# Altium PCB Плата верхняя версия 7 обычная(pretraced).PcbDoc (part 2 of 2)
Units mm, origin at the board's own origin, x right, y up, seen from the top; angles counter-clockwise.
Board outline 53 x 45 mm, 4 copper layers (Top Layer, Layer 1, Layer 2, Bottom Layer), stack 1.781 mm thick; 115 components, 170 nets, 808 pads, 355 vias.
Unrouted connection lines stored in the file: 49.
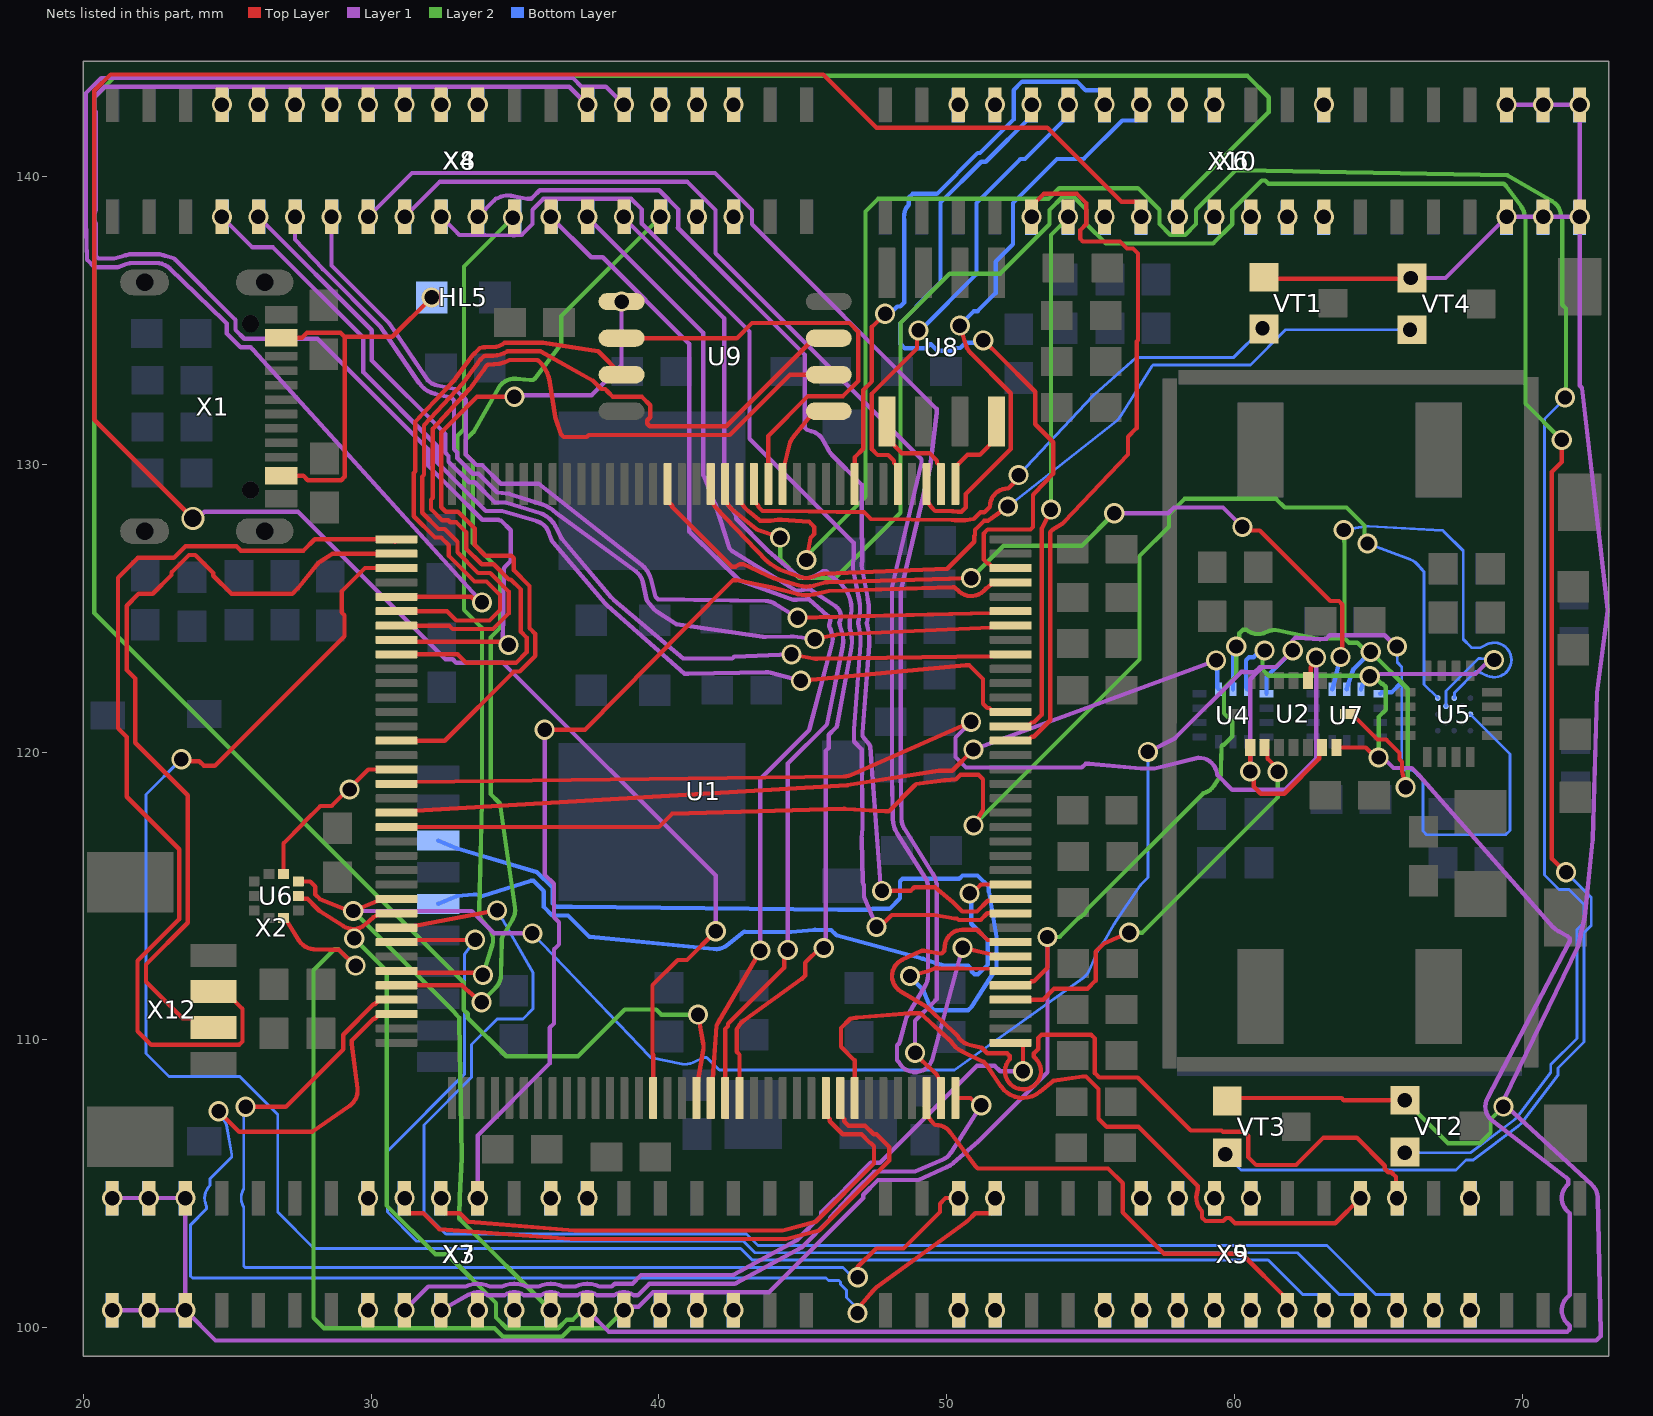
[diagram p4: the nets of this part, all layers, seen from the top]

## Via types
v1: diameter 0.7, hole 0.5, Top Layer to Bottom Layer, 349 vias
v2: diameter 0.8, hole 0.6, Top Layer to Bottom Layer, 6 vias

## Nets (pads, with @x,y where several pads share a name; then routed paths per layer and width w, separated by ;. In a path a pad name is that pad's centre, name@x,y a point inside that pad or via, vN(x,y) a via of type N, cw(c..) or ccw(c..) an arc to the next point about the centre after c; other vN are vias at no path point) (continued)
NetU1_15: U1.15 X6.15 X10.15 | length 87.5
  Top Layer w0.15: v2(23.8,128.125) 20.375,131.55 20.375,142.983 20.942,143.55 45.712,143.55 47.562,141.7 53.498,141.7 56.073,139.125 56.61,139.125 56.76,138.975 v1(56.76,138.6) ; U1.15@39.8,107.975 39.8,109.484 39.775,109.509 39.775,111.9 40.65,112.775 40.975,112.775 v1(41.975,113.775)
  Layer 1 w0.15: v2(23.8,128.125) 23.976,128.125 24.201,128.35 27.454,128.35 32.579,123.225 32.833,123.225 32.958,123.1 34.584,123.1 41.975,115.709 v1(41.975,113.775)
NetU1_18: U1.18 X6.17 X10.17 | length 96.5
  Top Layer w0.15: U1.18@41.3,107.975 41.365,108.635 41.541,109.643 ccw(c40.925,109.75) 41.54,109.86 v1(41.358,110.874)
  Layer 2 w0.15: v1(41.358,110.874) 40.083,110.874 39.907,111.05 38.808,111.05 37.183,109.425 34.691,109.425 33.355,110.761 33.355,110.902 33.21,111.047 33.21,111.999 20.375,124.834 20.375,142.759 21.116,143.5 60.454,143.5 61.195,142.759 61.195,142.241 58.154,139.2 58.154,138.724 v1(58.03,138.6)
NetU1_19: U1.19 X4.25 X8.25 | length 37.1
  Top Layer w0.15: U1.19@41.8,107.975 41.865,108.635 42,110.499 42.1,110.682 v1(43.525,113.099)
  Layer 1 w0.15: v1(36.24,138.6) 37.645,137.195 38.044,137.195 41.052,134.187 41.052,127.661 41.126,127.587 42.79,125.971 44.675,125.291 44.746,125.291 44.754,125.291 cw(c44.818,124.669) 44.784,125.294 45.098,125.311 45.217,125.311 45.864,124.735 45.952,124.647 45.952,124.565 45.915,124.433 45.915,124.35 45.952,124.293 46.008,124.111 cw(c45.411,123.927) 46.015,123.767 45.221,120.771 43.525,119.075 v1(43.525,113.099)
NetU1_20: U1.20 X4.27 X8.27 | length 36.4
  Top Layer w0.15: U1.20@42.3,107.975 42.3,110.375 42.4,110.475 42.4,110.558 42.758,110.916 44.351,112.509 44.351,113.001 v1(44.475,113.125)
  Layer 1 w0.15: v1(37.51,138.6) 41.542,134.568 41.542,129.676 41.542,129.62 41.954,128.629 42.449,127.076 42.519,127.006 44.776,125.607 44.85,125.607 45.147,125.656 45.239,125.659 cw(c44.8,124.845) 45.312,125.616 46.14,125.066 cw(c45.904,124.721) 46.266,124.51 46.276,124.457 ccw(c46.423,124.486) 46.278,124.449 46.325,124.266 46.362,124.155 cw(c45.484,123.865) 46.392,123.689 46.389,123.677 45.838,120.963 44.475,119.6 v1(44.475,113.125)
NetU1_21: U1.21 X4.29 X8.29 | length 36.5
  Top Layer w0.15: U1.21@42.8,107.975 42.8,109.484 42.7,109.584 42.7,110.372 42.813,110.533 cw(c43.325,110.175) 42.961,110.683 44.964,112.117 ccw(c44.6,112.625) 44.975,112.125 45.086,112.236 45.086,112.683 45.595,113.192 v1(45.725,113.192)
  Layer 1 w0.15: v1(38.78,138.6) 38.78,138.562 42.265,135.077 42.265,128.729 42.59,128.372 cw(c42.479,128.271) 42.603,128.356 cw(c42.216,128.094) 42.683,128.108 43.768,127.014 ccw(c44.212,127.454) 43.806,126.978 44.719,126.199 ccw(c45.125,126.675) 45.444,126.138 45.689,126.284 45.814,126.284 45.952,126.146 46.068,126.058 46.216,125.944 cw(c45.466,124.975) 46.625,124.58 46.625,124.339 46.668,124.179 cw(c45.484,123.865) 46.688,123.642 46.175,120.876 46.138,120.839 45.9,120.601 45.9,120.142 45.792,120.034 45.792,113.259 v1(45.725,113.192)
NetU1_27: U1.27 X3.20 X7.20 | length 19.9
  Top Layer w0.15: v1(32.43,104.5) 32.43,104.125 32.58,103.975 33.082,103.975 33.382,103.675 37.068,103.375 39.219,103.375 44.302,103.375 45.448,103.675 47.475,105.702 47.475,106.3 47.36,106.415 47.339,106.415 47.039,106.715 46.387,106.715 45.935,107.167 45.935,107.245 45.8,107.38 U1.27@45.8,107.975
NetU1_28: U1.28 X3.18 X7.18 | length 21.8
  Top Layer w0.15: v1(31.16,104.5) 31.16,104.125 31.31,103.975 31.812,103.975 32.368,103.419 36.943,103.075 39.343,103.075 44.427,103.075 45.572,103.375 48,105.803 48,106.275 47.56,106.715 47.463,106.715 47.163,107.015 46.587,107.015 46.435,107.167 46.435,107.245 46.3,107.38 U1.28@46.3,107.975
NetU1_29: U1.29 X5.28 X9.28 | length 25.9
  Top Layer w0.15: U1.29@46.8,107.975 46.8,109.284 46.325,109.759 46.325,110.409 46.647,110.731 46.841,110.765 cw(c46.95,110.15) 46.898,110.773 48.716,110.925 49.068,110.925 49.136,110.878 49.21,110.811 50.105,109.988 50.148,109.945 ccw(c50.935,110.43) 50.533,109.597 51.283,109.235 51.374,109.144 51.883,108.389 ccw(c52.65,108.905) 53.236,108.189 53.707,108.575 54.719,108.725 54.843,108.725 55.275,108.293 55.275,107.257 55.557,106.975 56.668,106.975 58.706,104.938 58.725,104.919 58.725,104.794 58.689,104.633 ccw(c59.3,104.5) 58.875,104.042 58.875,103.817 58.992,103.7 59.608,103.7 59.713,103.806 59.838,103.806 60.018,103.625 63.505,103.625 v1(64.38,104.5)
NetU1_34: U1.34 X5.23 X9.23 | length 16.8
  Top Layer w0.15: U1.34@49.3,107.975 49.365,107.315 49.46,107.178 49.598,107.04 49.621,107.04 cw(c49.621,106.415) 50.124,106.786 50.989,105.613 51.077,105.525 51.139,105.525 55.608,105.525 56.115,105.018 56.115,104.002 57.553,102.563 60.252,102.563 61.84,100.975 v1(61.84,100.6)
NetU1_35: U1.35 X4.15 X8.15 | length 49.2
  Top Layer w0.15: v1(48.9,109.55) 48.9,109.5 49.513,108.935 49.665,108.783 49.735,108.635 U1.35@49.8,107.975
  Layer 1 w0.15: v1(29.89,138.6) 31.415,140.125 41.949,140.125 43.235,138.839 43.235,138.341 49.65,131.926 49.65,131.805 49.425,129.926 48.4,125.599 48.4,119.326 48.429,117.669 ccw(c49.054,117.68) 48.526,117.346 49.517,115.778 cw(c48.725,115.3) 49.519,115.775 ; v1(48.9,109.55) 48.9,110.665 49.606,111.371 49.65,111.415 49.65,115.42 49.625,115.517 49.618,115.543 49.611,115.566 49.604,115.588 ccw(c48.725,115.3) 49.603,115.591 49.599,115.603 49.594,115.616 ; 49.519,115.775 49.561,115.705 49.59,115.627 cw(c48.725,115.3) 49.594,115.617
NetU1_36: U1.36 X3.19 X7.19 | length 22.7
  Top Layer w0.15: U1.36@50.3,107.975 50.825,107.975 v1@51.075,107.725
  Layer 1 w0.15: v1(32.43,100.6) 33.392,101.144 cw(c33.7,100.6) 34.039,101.125 34.631,101.125 cw(c34.97,100.6) 35.309,101.125 35.901,101.125 cw(c36.24,100.6) 36.579,101.125 37.171,101.125 cw(c37.51,100.6) 37.849,101.125 38.441,101.125 cw(c38.78,100.6) 39.119,101.125 39.267,101.125 39.667,101.525 42.61,101.525 ccw(c42.61,101.675) 42.682,101.543 44.951,102.784 ccw(c44.879,102.915) 44.985,102.809 45.944,103.768 45.944,103.82 46.599,104.516 ccw(c45.925,105.15) 46.611,104.529 46.8,104.738 47.487,105.425 47.851,105.425 48.838,105.425 48.9,105.425 49.868,105.841 ccw(c49.621,106.415) 50.147,106.078 v1(51.2,107.725)
NetU1_37: U1.37 X3.17 X7.17 | length 26.5
  Top Layer w0.15: U1.37@52.22,109.895 52.65,109.83 v1(52.65,108.905)
  Layer 1 w0.15: v1(31.16,100.6) 31.985,101.425 33.282,101.425 cw(c33.7,100.6) 34.118,101.425 34.552,101.425 cw(c34.97,100.6) 35.388,101.425 35.822,101.425 cw(c36.24,100.6) 36.658,101.425 37.092,101.425 cw(c37.51,100.6) 37.928,101.425 38.362,101.425 38.462,101.525 38.78,101.525 39.079,101.525 39.379,101.825 42.534,101.825 ccw(c42.534,101.975) 42.606,101.843 44.769,103.026 ccw(c44.697,103.158) 44.803,103.052 45.644,103.892 45.644,104.006 45.908,104.27 46.356,104.698 ccw(c45.925,105.15) 46.403,104.747 46.5,104.862 47.363,105.725 47.677,105.725 51.052,109.1 51.666,109.1 51.861,108.905 v1(52.65,108.905)
NetU1_40: U1.40 U2.14 | length 14.6
  Top Layer w0.15: U1.40@52.22,111.395 53.352,111.395 53.732,111.775 54.893,111.775 55.175,112.057 55.175,113.031 55.175,113.063 55.263,113.151 55.363,113.245 ccw(c54.934,113.7) 55.392,113.275 55.467,113.35 v1(56.343,113.725) ; U2.14@61.05,120.16 61.15,120.06 61.15,119.772 61.5,119.422 v1(61.5,119.315)
  Layer 2 w0.15: v1(56.343,113.725) 56.8,113.725 61.5,118.425 v1(61.5,119.315)
NetU1_41: U1.41 U2.8 U4.13 U5.A3 U6.2 U7.13 X3.29 X7.29 | length 101.6
  Top Layer w0.15: U6.2@26.95,114.235 27.065,114.135 27.493,113.445 ccw(c28.024,113.774) 27.996,113.15 28.55,113.125 28.878,113.125 v1(29.459,112.577) ; U1.41@52.22,111.895 52.815,111.895 52.95,112.03 53.028,112.03 53.5,112.503 v1(53.5,113.574) ; U2.8@63.965,121.325 64.085,121.325 64.974,120.436 65.27,120.436 65.739,119.968 65.739,119.75 65.826,119.663 65.826,119.475 65.826,119.351 v1(65.95,118.775)
  Layer 1 w0.15: v1(38.78,100.6) 38.904,100.724 39.29,100.724 39.791,101.225 43.825,101.225 47.1,104.5 47.1,104.614 47.611,105.125 49.024,105.125 50.006,105.574 ccw(c49.621,106.415) 50.226,105.715 51.098,106.469 53.5,108.871 v1(53.5,113.574)
  Layer 2 w0.15: v1(29.459,112.577) 28.849,113.15 28.725,113.15 28.681,113.106 27.995,112.42 27.995,100.341 28.361,99.975 34.287,99.975 34.587,99.675 36.623,99.675 36.923,99.975 38.155,99.975 v1(38.78,100.6) ; v1(53.5,113.574) 53.924,113.574 54.579,114.229 ccw(c54.325,114.8) 54.896,114.546 58.92,118.57 ccw(c58.768,119.176) 59.292,118.834 59.525,119.192 59.55,120.198 59.594,120.242 59.608,120.256 59.64,120.256 59.742,120.358 59.925,120.541 59.925,120.8 59.925,121.059 59.742,121.242 59.64,121.344 59.64,122.219 60.064,122.643 60.064,123.539 v1@60.287,123.763 ; v1(60.064,123.667) 60.192,123.667 v1@60.287,123.763 ; v1(63.797,127.716) 63.825,127.14 63.825,123.959 ; v1@64.703,123.447 64.776,123.447 66.023,122.2 66.023,118.848 v1(65.95,118.775) ; v1(64.739,123.484) 64.59,123.484 64.273,123.801 63.982,123.801 63.825,123.959 ; v1@60.287,123.763 60.169,123.881 60.169,124.124 60.295,124.25 60.419,124.25 ccw(c60.825,124.725) 61.114,124.171 cw(c61.4,123.615) 61.532,124.226 62.869,123.939 ccw(c63,124.55) 62.893,123.934 ccw(c63,124.55) 63.145,123.942 63.214,123.959 63.825,123.959
  Bottom Layer w0.1: v1(63.797,127.716) 64.523,127.841 cw(c64.625,127.25) 64.661,127.849 67.248,127.7 67.277,127.671 67.95,126.997 67.95,123.921 68.217,123.654 68.246,123.625 68.536,123.625 68.754,123.735 cw(c69.025,123.2) 68.771,122.657 68.465,122.8 68.382,122.8 67.654,122.072 67.654,121.895 U5.A3@67.635,121.876
  Bottom Layer w0.15: U4.13@59.95,122.188 59.95,123.405 60.064,123.518 v1(60.064,123.667) ; U7.13@63.9,122.188 63.95,122.35 64.127,122.873 64.464,123.21 v1(64.739,123.484)
NetU1_42: U1.42 X2.3 | length 32
  Top Layer w0.15: v1(48.725,112.218) 49.425,112.407 49.609,112.487 49.672,112.487 51.56,112.46 52.155,112.46 U1.42@52.22,112.395
  Bottom Layer w0.15: X2.3@32.325,116.925 32.985,116.65 35.764,115.824 36.3,115.288 36.3,114.74 36.417,114.623 36.966,114.623 46.233,114.525 46.24,114.518 46.758,114.518 46.766,114.525 47.261,114.525 47.44,114.55 ; 47.441,114.55 cw(c47.461,114.401) 47.479,114.55 48.008,114.55 48.374,114.916 48.374,115.512 48.462,115.6 50.439,115.6 50.551,115.712 51.072,115.712 51.466,115.317 51.466,115.153 51.73,113.581 51.73,112.495 50.875,111.157 50.743,111.025 49.557,111.025 49.453,111.129 49.425,111.157 49.201,111.703 v1(48.725,112.218)
NetU1_43: U1.43 X4.17 X8.17 | length 52.3
  Top Layer w0.15: v1(50.551,113.2) 51.56,112.96 U1.43@52.22,112.895
  Layer 1 w0.15: v1(31.16,138.6) 32.385,139.825 40.979,139.825 41.965,138.839 41.965,137.334 49.125,130.174 49.125,130.05 48.1,125.723 48.1,119.228 48.13,117.663 ccw(c49.054,117.68) 48.272,117.186 49.262,115.62 cw(c48.725,115.3) 49.313,115.513 cw(c48.725,115.3) 49.318,115.496 cw(c48.725,115.3) 49.325,115.475 cw(c48.725,115.3) 49.349,115.338 cw(c48.725,115.3) 49.35,115.314 cw(c48.725,115.3) 49.35,115.3 49.35,112.218 cw(c48.725,112.218) 49.262,111.898 48.6,110.789 48.369,109.931 cw(c48.224,109.97) 48.33,109.864 48.275,109.809 48.275,109.291 48.337,109.23 ccw(c48.9,109.5) 49.503,109.336 v1(50.551,113.2)
NetU1_44: U1.44 X5.30 X9.30 | length 31.5
  Top Layer w0.15: 52.143,109.487 52.1,109.53 51.412,109.53 51.216,109.726 50.799,109.82 50.796,109.821 cw(c50.935,110.43) 50.387,110.129 50.36,110.157 50.308,110.208 50.222,110.288 49.327,111.111 49.252,111.177 48.405,111.681 cw(c48.725,112.218) 48.466,112.787 49.149,113.098 49.224,113.099 49.75,112.999 49.826,112.999 49.914,113.087 49.929,113.253 cw(c50.551,113.2) 50.552,113.825 50.579,113.825 51.064,113.822 51.418,113.468 51.56,113.46 U1.44@52.22,113.395 ; 52.144,109.486 52.188,109.442 52.188,109.38 52.188,109.326 ccw(c52.65,108.905) 53.076,109.363 53.074,109.364 53.03,109.408 53.03,109.47 53.03,109.532 53.18,109.682 53.18,110.062 53.293,110.175 55.018,110.175 55.15,110.043 55.15,108.842 55.304,108.688 56.64,108.688 58.478,106.85 59.552,106.85 59.602,106.8 60.343,106.8 60.475,106.668 60.475,105.927 60.752,105.65 62.143,105.65 63.093,106.6 64.25,106.6 65.225,105.625 65.225,105.517 65.342,105.4 65.45,105.4 65.613,105.237 65.613,104.537 v1(65.65,104.5)
NetU1_46: U1.46 X4.19 X8.19 | length 41.4
  Top Layer w0.15: v1(47.559,113.925) 47.681,113.925 48.092,114.336 49.57,114.336 50.27,114.217 50.358,114.217 50.413,114.162 51.179,114.162 51.412,114.395 U1.46@52.22,114.395
  Layer 1 w0.15: v1(32.43,138.6) 33.011,138.019 33.055,137.975 34.917,137.95 ccw(c34.925,138.575) 34.981,137.953 35.229,137.975 35.273,138.019 35.605,138.351 35.605,138.849 35.981,139.225 39.039,139.225 39.405,138.859 39.405,138.361 43.149,134.617 43.149,130.892 46.765,127.276 46.765,126.75 cw(c46.14,126.75) 46.742,126.582 46.742,126.363 46.961,125.277 cw(c45.466,124.975) 46.925,124.533 46.925,124.463 46.984,124.139 cw(c45.484,123.865) 47.004,123.748 46.776,120.784 46.776,120.42 46.786,120.356 47.042,120.1 47.075,117.408 cw(c46.45,117.4) 47.072,117.342 47.042,117.018 47.042,116.954 47.083,115.501 ccw(c47.233,115.505) 47.092,115.453 47.115,115.392 cw(c46.974,115.34) 47.124,115.34 47.124,114.978 ccw(c47.718,115.175) 47.141,114.934 47.559,113.935 v1(47.559,113.925)
NetU1_47: U1.47 X4.21 X8.21 | length 39.3
  Top Layer w0.15: v1(47.749,115.175) 48.746,115.175 48.871,115.3 49.6,115.3 50.225,114.774 cw(c50.128,114.659) 50.234,114.765 50.537,114.462 51.055,114.462 51.423,114.83 52.155,114.83 U1.47@52.22,114.895
  Layer 1 w0.15: v1(33.7,138.6) 34.282,139.182 34.325,139.225 34.501,139.298 cw(c34.74,138.721) 34.857,139.335 35.433,139.225 35.557,139.225 35.601,139.269 35.857,139.525 40.009,139.525 40.675,138.859 40.675,138.25 40.65,138.225 45.063,133.812 45.063,131.34 45.063,131.278 45.151,131.19 45.296,131.155 cw(c45.146,130.548) 45.693,130.851 45.904,130.472 ccw(c46.45,130.775) 46.008,130.333 47.042,129.299 47.042,127.424 47.065,127.401 47.065,126.634 47.042,126.545 47.042,126.487 47.26,125.307 cw(c45.466,124.975) 47.225,124.49 47.28,124.189 cw(c45.484,123.865) 47.304,123.731 47.076,120.66 47.076,120.545 47.304,120.27 47.326,120.24 47.34,120.189 47.718,115.175 v1(47.749,115.175)
NetU1_48: U1.48 X2.5 | length 25.4
  Top Layer w0.15: v1(50.796,115.087) 50.879,115.087 51.187,115.395 U1.48@52.22,115.395
  Bottom Layer w0.15: X2.5@32.325,114.725 32.985,115 33.558,115.048 cw(c33.61,114.425) 33.866,114.995 35.533,115.517 35.555,115.524 35.64,115.524 36,115.164 36,114.616 36.293,114.323 36.841,114.323 37.587,113.577 41.914,113.153 ccw(c41.975,113.775) 42.363,113.285 42.95,113.75 cw(c42.975,113.125) 43.001,113.749 43.003,113.749 44.475,113.75 cw(c44.475,113.125) 44.509,113.749 44.513,113.749 44.6,113.749 45.367,113.818 cw(c45.422,113.195) 45.478,113.818 45.983,113.818 46.134,113.667 ; 46.135,113.666 ccw(c46.24,113.773) 46.201,113.628 49.154,112.821 cw(c48.989,112.218) 49.183,112.813 49.912,112.575 50.743,112.575 50.875,112.443 50.875,112.364 50.963,112.276 51.087,112.276 51.43,112.619 51.43,113.456 50.85,114.037 50.85,115.033 v1(50.796,115.087)
NetU1_58: U1.58 X6.9 X10.9 | length 25.3
  Top Layer w0.15: U1.58@52.22,120.395 52.815,120.395 52.95,120.53 53.028,120.53 53.6,121.102 53.6,127.581 53.6,127.643 53.688,127.731 53.949,127.889 ccw(c53.625,128.424) 54.08,127.995 56.3,130.343 56.3,130.958 56.6,131.258 56.6,134.266 56.65,134.316 56.65,137.324 56.474,137.5 56.268,137.5 56.022,137.747 54.733,137.747 54.645,137.834 54.645,138.141 54.845,138.341 54.845,139.083 54.528,139.4 53.375,139.4 52.95,138.975 v1(52.95,138.6)
NetU1_59: U1.59 X6.11 X10.11 | length 18.9
  Top Layer w0.15: U1.59@52.22,120.895 52.815,120.895 52.95,121.03 53.028,121.03 53.3,121.302 53.3,127.724 53.304,127.767 v1(53.625,128.424)
  Layer 2 w0.15: v1(53.625,128.424) 53.625,137.967 54.22,138.562 v1(54.22,138.6)
NetU1_60: U1.60 X4.7 X8.7 | length 36.3
  Top Layer w0.15: v1(44.931,122.479) 50.67,123.013 50.787,123.013 51.26,122.54 51.26,121.682 51.412,121.53 51.472,121.53 51.49,121.53 51.625,121.395 U1.60@52.22,121.395
  Layer 1 w0.15: v1(24.81,138.6) 25.87,137.54 26.585,137.54 29.721,134.404 29.721,133.204 32.276,130.648 32.276,130.079 33.09,129.265 33.98,128.375 34.55,128.375 35.752,128.026 cw(c35.577,127.426) 36.165,127.639 36.264,127.366 36.329,127.281 38.121,125.178 ccw(c38.825,125.778) 38.213,125.084 40.885,122.725 40.947,122.725 41.009,122.725 43.713,122.775 cw(c43.725,122.15) 43.884,122.754 v1(44.931,122.479)
NetU1_64: U1.64 X4.9 X8.9 | length 33.6
  Top Layer w0.15: v1(44.605,123.395) 45.368,123.251 ccw(c45.484,123.865) 45.493,123.24 51.56,123.33 U1.64@52.22,123.395
  Layer 1 w0.15: v1(26.08,138.6) 30.021,134.659 30.021,133.607 32.576,131.052 32.576,130.4 32.687,130.289 32.687,130.093 33.405,129.375 33.601,129.375 34.301,128.675 34.674,128.675 35.909,128.293 35.979,128.26 cw(c35.577,127.426) 36.393,127.862 36.424,127.803 36.608,127.437 36.629,127.408 38.348,125.374 ccw(c38.825,125.778) 38.421,125.3 40.846,123.25 42.551,123.25 42.612,123.312 v1(44.605,123.395)
NetU1_66: U1.66 X4.11 X8.11 | length 32.5
  Top Layer w0.15: v1(45.411,123.927) 46.112,124.064 46.179,124.085 51.56,124.33 U1.66@52.22,124.395
  Layer 1 w0.15: v1(27.35,138.6) 27.35,137.816 28.32,136.784 30.321,134.784 31.662,132.827 ccw(c32.425,133.35) 32.216,132.449 32.788,132.316 32.876,132.228 32.876,130.524 32.987,130.413 32.987,130.217 33.529,129.675 33.725,129.675 34.381,129.019 34.799,128.975 35.978,128.593 36.069,128.558 36.155,128.508 36.198,128.482 cw(c35.577,127.426) 36.436,128.3 39.194,126.282 cw(c38.825,125.778) 39.435,125.914 39.578,125.272 39.859,124.939 39.915,124.883 40.61,124.442 43.61,124.006 ccw(c43.7,124.625) 43.714,124 44.592,124.019 cw(c44.605,123.395) 44.669,124.016 cw(c44.605,123.395) 44.68,124.015 v1(45.411,123.927)
NetU1_67: U1.67 X4.13 X8.13 | length 31.6
  Top Layer w0.15: v1(44.818,124.669) 51.56,124.83 U1.67@52.22,124.895
  Layer 1 w0.15: v1(28.62,138.6) 28.62,136.971 28.62,136.909 30.621,134.908 31.907,133.001 ccw(c32.425,133.35) 32.303,132.737 32.913,132.616 33.287,132.242 33.287,130.341 33.653,129.975 33.849,129.975 34.499,129.325 35.821,129.325 39.396,126.505 cw(c38.825,125.778) 39.721,126.008 39.878,125.396 39.965,125.309 43.71,125.25 cw(c43.7,124.625) 44.028,125.157 v1(44.818,124.669)
NetU1_69: U1.69 X3.22 X7.22 | length 36.3
  Top Layer w0.15: v1(36.025,120.775) 37.367,120.775 37.386,120.775 37.429,120.775 37.474,120.82 40.914,124.317 42.574,125.976 42.698,125.976 43.894,125.727 44.819,125.489 ccw(c45.125,126.675) 45.407,125.483 45.901,125.6 50.215,125.725 50.267,125.724 50.441,125.573 ccw(c50.85,126.046) 51.291,125.603 51.378,125.69 51.56,125.83 U1.69@52.22,125.895
  Layer 1 w0.15: v1(33.7,104.5) 33.7,106.676 36.2,109.176 36.2,110.416 36.35,110.566 36.35,113.142 36.525,113.317 36.525,114.083 36.35,114.258 36.35,115.42 36.025,115.745 v1(36.025,120.775)
NetU1_70: U1.70 X6.10 X10.10 | length 25.1
  Top Layer w0.15: v1(51.272,134.309) 51.695,133.905 51.783,133.817 53.075,132.525 53.075,131.392 53.7,130.767 53.7,129.675 53.041,128.983 53,128.939 53,127.823 52.912,127.735 51.423,127.735 51.285,127.597 51.285,126.693 51.423,126.555 51.472,126.555 51.56,126.467 51.56,126.46 51.625,126.395 U1.70@52.22,126.395
  Bottom Layer w0.15: v1(51.272,134.309) 51.189,134.225 50.65,134.225 50.469,134.044 50.318,134.044 50.224,133.95 49.675,133.95 49.625,134 49.452,134.173 49.421,134.173 49.277,134.03 48.545,134.03 48.387,134.188 48.387,134.881 48.394,134.887 48.394,134.914 48.95,135.47 48.95,135.5 49.785,136.335 49.785,139.103 51.198,140.517 51.357,140.517 52.95,142.11 v1(52.95,142.5)
NetU1_73: U1.73 U8.4 | length 3
  Top Layer w0.15: U1.73@50.3,129.315 50.3,129.91 50.722,130.333 51.152,130.333 51.73,130.91 U8.4@51.73,131.49
NetU1_74: U1.74 U8.1 | length 3.5
  Top Layer w0.15: U8.1@47.92,131.49 47.92,130.91 48.44,130.39 49.398,130.39 49.665,130.123 49.665,130.045 49.8,129.91 U1.74@49.8,129.315
NetU1_75: U1.75 X6.16 X10.16 | length 21
  Top Layer w0.15: U1.75@49.3,129.315 49.365,128.655 49.46,128.518 49.598,128.38 50.196,128.365 cw(c50.172,127.44) 50.22,128.364 50.388,128.355 50.513,128.355 50.557,128.399 50.66,128.502 50.66,128.967 52.225,130.532 52.225,132.472 50.832,133.865 cw(c51.272,134.309) 50.675,134.123 v1(50.459,134.82)
  Bottom Layer w0.15: v1(50.459,134.82) 50.459,134.838 50.945,135.324 51.074,135.324 51.7,135.95 51.7,137.043 52.305,137.648 52.305,139.083 53.831,140.609 54.757,140.609 56.098,141.95 56.6,141.95 56.76,142.11 v1(56.76,142.5)
NetU1_77: U1.77 X6.12 X10.12 | length 16.7
  Top Layer w0.15: U1.77@48.3,129.315 48.3,129.91 48.165,130.045 48.165,130.123 47.965,130.322 47.6,130.322 47.4,130.522 47.4,132.458 48.967,134.025 48.967,134.603 v1(49.019,134.655)
  Bottom Layer w0.15: v1(49.019,134.655) 49.08,134.655 51.035,136.61 51.035,139.083 52.561,140.609 52.719,140.609 54.22,142.11 v1(54.22,142.5)
NetU1_80: U1.80 X6.14 X10.14 | length 20.5
  Top Layer w0.15: U1.80@46.8,129.315 46.8,130.241 47.1,130.541 47.1,132.582 47.4,132.882 47.4,134.777 v1(47.858,135.235)
  Bottom Layer w0.15: v1(47.858,135.235) 48.033,135.235 48.284,135.485 48.385,135.485 48.525,135.625 48.525,138.476 48.525,138.489 cw(c49.14,138.6) 48.68,139.023 48.68,139.268 48.812,139.4 49.658,139.4 51.074,140.817 51.155,140.817 52.325,141.987 52.325,143.003 52.622,143.3 54.528,143.3 54.828,143 55.33,143 55.49,142.84 v1(55.49,142.5)
NetU1_85: U1.85 U9.5 | length 3.3
  Top Layer w0.15: U1.85@44.3,129.315 44.365,129.975 44.539,130.695 cw(c45.146,130.548) 44.663,130.944 45.4,131.845 U9.5@45.9,131.845
NetU1_86: U1.86 U9.2 | length 15.9
  Top Layer w0.15: U9.2@38.7,134.385 42.707,134.385 43.232,134.91 46.617,134.91 46.925,134.602 46.925,132.898 46.397,132.37 45.183,132.37 43.8,130.988 U1.86@43.8,129.315
NetU1_87: U1.87 VT1.3 | length 21.5
  Top Layer w0.15: U1.87@43.3,129.315 43.3,128.72 43.46,128.56 43.46,128.518 43.598,128.38 44.214,128.379 cw(c44.212,127.454) 44.225,128.379 47.124,128.339 47.364,128.099 50.179,128.065 cw(c50.172,127.44) 50.283,128.055 50.637,128.055 50.938,128.099 51.174,128.335 51.31,128.335 51.502,128.527 cw(c52.127,128.536) 52.136,129.161 52.5,129.525 v1(52.5,129.625)
  Bottom Layer w0.1: v1(52.5,129.625) 55.087,132.385 cw(c55.525,131.975) 55.129,132.426 56.581,133.706 59.956,133.706 v1(60.975,134.725)
NetU1_88: U1.88 VT2.3 | length 82.6
  Top Layer w0.15: U1.88@42.8,129.315 42.865,128.655 42.96,128.518 43.098,128.38 43.474,128.072 43.514,128.039 43.887,128.039 44.125,128.073 cw(c44.212,127.454) 44.263,128.077 45.224,128 45.267,127.957 45.4,127.824 45.4,127.576 45.268,127.444 v1(45.125,126.675)
  Layer 2 w0.15: v1(45.125,126.675) 45.125,126.819 47.175,128.869 47.175,138.789 47.611,139.225 53.537,139.225 53.912,139.6 56.644,139.6 57.395,138.849 57.395,138.351 57.771,137.975 58.289,137.975 58.665,138.351 58.665,138.849 59.997,140.181 60.041,140.225 60.165,140.225 69.487,140.05 71.043,139.141 cw(c70.73,138.6) 71.345,138.71 71.385,138.49 ccw(c72,138.6) 71.391,138.461 71.391,135.548 71.525,135.414 71.525,132.358 v1(71.487,132.321)
  Bottom Layer w0.1: v1(65.925,106.075) 68.156,106.075 68.197,106.075 69.704,107.197 ccw(c69.345,107.678) 69.825,107.318 70.991,108.869 70.991,109.141 71.9,110.05 71.9,113.826 72.15,114.076 72.15,114.7 71.625,115.225 71.276,115.225 70.775,115.726 70.775,131.575 71.487,132.287 v1(71.487,132.321)
NetU1_89: U1.89 VT3.3 | length 87.4
  Top Layer w0.15: U1.89@42.3,129.315 42.365,128.655 42.46,128.518 42.598,128.38 43.39,127.739 v1(44.212,127.454) ; v1@44.198,127.405 v1@44.212,127.409 ; v1@44.212,127.4 v1@44.212,127.409 ; v1(71.375,130.85) 71.375,130.083 71.025,129.733 71.025,116.297 71.497,115.825 v1(71.525,115.825) ; v1@44.212,127.409 44.225,127.413 44.319,127.444 44.232,127.444 44.212,127.451 v1@44.212,127.409
  Layer 2 w0.15: v1(44.212,127.454) 44.212,126.704 44.866,126.05 46.124,126.05 48.394,128.32 48.394,134.914 50.107,136.627 51.861,136.627 53.575,138.341 53.575,138.839 54.036,139.3 54.404,139.3 54.845,138.859 54.845,138.361 55.531,137.675 59.259,137.675 59.925,138.341 59.925,138.839 60.949,139.863 61.073,139.863 61.186,139.75 69.362,139.75 69.45,139.662 69.962,138.972 cw(c69.46,138.6) 70.075,138.71 70.115,138.49 70.115,132.11 v1(71.375,130.85)
  Bottom Layer w0.1: v1(59.675,106.025) 60.225,105.475 67.699,105.475 68.049,105.825 68.301,105.825 69.857,107 ccw(c69.345,107.678) 70.023,107.166 71.241,108.766 71.241,109.018 72.15,109.926 72.15,113.723 72.4,113.973 72.4,114.95 v1(71.525,115.825)
NetU1_90: U1.90 VT4.3 | length 29.6
  Top Layer w0.15: U1.90@41.8,129.315 41.865,128.655 41.96,128.518 43.748,126.644 ccw(c44.2,127.075) 43.865,126.548 44.178,126.348 44.916,126.086 ccw(c45.125,126.675) 45.326,126.083 45.645,126.192 45.732,126.196 50.019,126.369 50.96,127.31 50.96,127.51 50.985,127.535 50.985,127.722 51.298,128.035 51.434,128.035 v1(52.127,128.536)
  Bottom Layer w0.1: v1(52.127,128.536) 55.896,131.504 ccw(c55.525,131.975) 56.034,131.657 57.121,133.398 57.18,133.456 60.555,133.456 61.774,134.675 v1(66.1,134.675)
NetU1_93: U1.93 U7.12 | length 30.6
  Top Layer w0.15: U1.93@40.3,129.315 40.3,128.72 40.46,128.56 40.46,128.518 42.503,126.475 42.534,126.444 42.658,126.444 42.819,126.532 42.92,126.532 43.999,126.039 44.867,125.787 ccw(c45.125,126.675) 45.375,125.784 45.774,125.896 45.866,125.9 50.099,126.025 v1(50.85,126.046) ; v1(60.275,127.825) 60.399,127.701 60.882,127.701 63.333,125.25 63.633,125.25 63.75,125.133 63.75,123.367 v1(63.689,123.307)
  Layer 1 w0.15: v1(55.825,128.3) 57.7,128.3 57.9,128.5 59.6,128.5 v1(60.275,127.825)
  Layer 2 w0.15: v1(50.85,126.046) 51.977,127.173 54.698,127.173 v1(55.825,128.3)
  Bottom Layer w0.15: U7.12@63.4,122.188 63.45,122.35 v1(63.689,123.307)
NetU1_109: U1.109 X12.2 | length 34
  Top Layer w0.15: X12.2@24.525,111.675 24.925,111.675 25.525,111.075 25.525,109.942 25.408,109.825 22.35,109.825 21.875,110.3 21.875,112.744 23.325,114.194 23.325,116.625 21.5,118.45 21.5,120.525 21.2,120.825 21.2,126.059 21.891,126.75 23.142,126.75 23.542,127.15 25.315,127.15 25.465,127 27.645,127 28.04,127.395 U1.109@30.88,127.395 30.863,127.33 U1.109@30.837,127.304
NetU1_110: U1.110 X12.3 | length 28.9
  Top Layer w0.15: X12.3@24.525,110.425 24.2,110.75 23.441,110.75 22.175,112.016 22.175,112.62 23.625,114.07 23.625,118.501 21.8,120.326 21.8,122.555 21.5,122.855 21.5,125.084 21.916,125.5 22.409,125.5 23.06,126.151 23.06,126.244 23.667,126.85 23.884,126.85 24.512,126.222 24.512,126.129 25.141,125.5 27.197,125.5 27.259,125.5 27.443,125.684 ccw(c27,126.125) 27.49,125.737 28.085,126.488 cw(c28.575,126.1) 28.236,126.625 28.654,126.895 U1.110@30.88,126.895
NetU1_111: U1.111 X5.25 X9.25 | length 69
  Top Layer w0.15: v1(23.4,119.75) 23.466,119.684 24.025,119.684 24.184,119.525 24.566,119.525 29.069,124.028 29.069,124.756 28.97,124.855 28.97,125.584 29.781,126.395 U1.111@30.88,126.395
  Bottom Layer w0.1: v1(23.4,119.75) 22.175,118.525 22.175,109.525 22.975,108.725 25.432,108.725 26.75,107.407 26.75,104.013 28.013,102.75 42.839,102.75 43.239,102.35 61.172,102.35 62.372,101.15 62.945,101.15 63.11,100.985 v1(63.11,100.6)
NetU1_113: U1.113 X4.30 X8.30 | length 47.3
  Top Layer w0.15: U1.113@30.88,125.395 33.479,125.395 33.674,125.2 v1(33.85,125.2)
  Layer 1 w0.15: v1(33.85,125.2) 25.898,133.977 25.81,134.065 25.463,134.065 24.98,134.548 24.98,134.895 24.892,134.983 22.993,136.811 ccw(c22.525,136.325) 22.525,137 21.725,137 ccw(c21.725,136.325) 21.497,136.96 21.191,136.85 20.389,136.85 20.125,137.114 20.076,138.569 cw(c21,138.6) 20.075,138.6 20.075,142.883 20.617,143.425 20.801,143.425 37.009,143.425 37.309,143.125 38.155,143.125 v1(38.78,142.5)
NetU1_114: U1.114 U9.3 | length 20.8
  Top Layer w0.15: U1.114@30.88,124.895 32.632,124.895 32.952,124.575 34.109,124.575 34.475,124.941 34.475,125.459 34.009,125.925 33.591,125.925 32.698,126.818 32.698,127.186 32.429,127.455 32.215,127.455 31.475,128.195 31.475,129.698 31.535,129.758 31.535,131.483 32.882,132.923 ccw(c32.425,133.35) 32.928,132.979 33.48,133.728 33.548,133.815 33.562,133.828 33.691,133.958 33.776,134.042 33.896,134.069 33.952,134.07 34.234,134.075 ccw(c34.225,134.7) 34.631,134.225 35.978,134.225 37.888,133.927 U9.3@38.7,133.115
NetU1_115: U1.115 U9.7 | length 30.3
  Top Layer w0.15: U1.115@30.88,124.395 32.708,124.395 32.828,124.275 34.233,124.275 34.775,124.817 34.775,125.583 34.133,126.225 33.716,126.225 32.998,126.943 32.998,127.31 32.553,127.755 32.339,127.755 31.775,128.319 31.775,129.574 31.835,129.634 31.835,131.359 33.182,132.805 33.673,133.467 cw(c34.989,132.684) 33.774,133.616 33.903,133.745 cw(c34.055,133.487) 33.957,133.77 34.241,133.775 ccw(c34.225,134.7) 34.73,133.925 35.885,133.925 37.705,132.903 37.731,132.877 37.993,132.615 38.129,132.615 38.219,132.525 38.399,132.345 39.407,132.345 39.7,132.052 39.7,131.638 39.594,131.532 39.594,131.408 39.682,131.32 42.335,131.32 45.4,134.385 U9.7@45.9,134.385
NetU1_116: U1.116 X4.28 X8.28 | length 50.3
  Top Layer w0.15: U1.116@30.88,123.895 30.945,123.83 34.67,123.83 v1(34.775,123.725)
  Layer 1 w0.15: 22.649,137.3 21.601,137.3 21.482,137.269 ccw(c21.725,136.325) 21.456,137.262 21.066,137.15 20.513,137.15 20.425,137.238 20.425,138.355 cw(c21,138.6) 20.425,138.845 20.425,140.906 20.425,142.25 20.375,142.3 20.375,142.759 20.741,143.125 36.885,143.125 v1(37.51,142.5) ; 22.65,137.3 22.767,137.269 cw(c22.525,136.325) 22.822,137.254 23.149,137.15 23.193,137.106 25.28,135.019 25.28,134.673 25.588,134.365 28.135,134.365 31.976,130.524 31.976,129.955 32.325,129.606 32.653,129.278 32.79,129.141 33.856,128.075 34.426,128.075 34.451,128.05 34.507,128.05 34.848,127.709 34.848,126.638 34.659,126.449 ccw(c34.765,126.343) 34.615,126.346 34.575,123.728 34.772,123.728 v1(34.775,123.725)
NetU1_117: U1.117 U9.6 | length 32.2
  Top Layer w0.15: U1.117@30.88,123.395 33.007,123.395 33.302,123.1 34.834,123.1 35.034,123.1 35.4,123.466 35.4,123.984 35.2,124.184 35.2,125.65 34.85,126 34.782,126 34.257,126.525 33.84,126.525 33.298,127.067 33.298,127.644 32.959,127.983 32.749,127.983 32.677,128.055 32.463,128.055 32.075,128.443 32.075,128.774 32.135,128.834 32.135,131.234 33.409,132.608 33.482,132.687 33.917,133.29 cw(c34.989,132.684) 34.001,133.418 34.009,133.426 cw(c34.115,133.32) 34.11,133.47 34.267,133.476 ccw(c34.225,134.7) 34.812,133.625 35.782,133.625 cw(c34.989,132.684) 35.828,133.585 cw(c34.989,132.684) 36.206,132.867 36.395,131.64 36.599,131.038 36.62,131.016 36.686,130.95 37.491,130.95 37.561,131.02 42.459,131.02 44.554,133.115 U9.6@45.9,133.115
NetU1_123: U1.123 U9.1 | length 25.4
  Top Layer w0.15: U1.123@30.88,120.395 32.553,120.395 34.958,122.8 35.158,122.8 35.7,123.342 35.7,124.108 35.5,124.308 35.5,125.774 34.958,126.316 34.958,126.737 34.871,126.825 33.964,126.825 33.598,127.191 33.598,127.769 33.012,128.355 32.587,128.355 32.435,128.507 32.435,131.11 33.675,132.35 v1(34.975,132.35)
  Layer 1 w0.15: v1(34.975,132.35) 35.031,132.406 37.663,132.406 38.7,133.443 v1(38.7,135.655)
NetU1_125: U1.125 U6.6 | length 6.1
  Top Layer w0.15: U6.6@26.95,115.765 26.95,116.826 27.648,117.524 27.648,117.542 28.232,118.125 28.623,118.125 29.893,119.395 U1.125@30.88,119.395
  other v1: 29.25,118.7
NetU1_126: U1.126 U2.5 | length 40
  Top Layer w0.15: U1.126@30.88,118.895 31.54,118.96 46.425,119.15 ccw(c46.417,119.775) 46.669,119.203 v1(50.85,121.05) ; U2.5@62.55,122.49 62.65,122.59 62.65,122.946 62.839,123.135 v1(62.839,123.284)
  Layer 1 w0.15: v1(50.85,121.05) 50.303,120.503 50.303,119.829 50.669,119.463 54.696,119.463 54.822,119.59 54.946,119.59 56.755,119.43 57.231,119.43 58.742,119.8 cw(c58.768,119.176) 59.373,119.332 59.393,119.255 59.393,119.216 59.919,118.69 61.759,118.69 62.839,119.77 v1(62.839,123.284)
NetU1_128: U1.128 U4.12 | length 30.4
  Top Layer w0.15: U1.128@30.88,117.895 31.54,117.96 46.551,118.852 49.725,119.35 50.19,119.35 v1(50.928,120.088)
  Layer 1 w0.15: v1(50.928,120.088) v1(59.362,123.187)
  Bottom Layer w0.15: v1(59.362,123.187) 59.406,123.143 59.406,122.231 U4.12@59.45,122.188
NetU1_129: U1.129 U5.A5 | length 51.3
  Top Layer w0.15: U1.129@30.88,117.395 39.997,117.395 40.453,117.851 46.432,118.025 cw(c46.45,117.4) 46.489,118.024 47.863,117.939 47.987,117.939 48.892,118.844 48.936,118.888 49.917,119.019 cw(c50,118.4) 49.954,119.023 50.314,119.05 50.477,119.213 51.103,119.213 51.26,119.056 51.26,117.98 v1(50.935,117.45)
  Layer 2 w0.15: v1(50.935,117.45) 56.7,123.215 56.7,126.809 57.725,127.834 57.725,128.258 58.267,128.8 61.449,128.8 61.749,128.5 63.897,128.5 64.522,127.875 64.522,127.353 v1(64.625,127.25)
  Bottom Layer w0.1: v1(64.625,127.25) 66.12,126.689 cw(c65.909,126.127) 66.355,126.528 66.592,126.267 66.592,122.353 U5.A5@67.069,121.876
NetU1_134: U1.134 U2.10 U2.15 U4.1 U5.C1 U6.5 U7.1 X3.25 X7.25 | length 94.8
  Top Layer w0.15: U6.5@27.465,115.5 27.88,115.5 28.056,115.324 28.056,115.113 28.056,115.051 28.232,114.875 29.251,114.475 v1(29.375,114.475) 30.22,114.83 U1.134@30.88,114.895 ; U2.15@60.55,120.16 v1(60.55,119.325) 60.674,119.201 60.674,118.792 60.916,118.55 61.728,118.55 62.95,119.772 62.95,120.06 U2.10@63.05,120.16
  Layer 1 w0.15: v1(29.375,114.475) 33.494,114.475 34.269,113.7 v1(35.6,113.7) ; v1(56.993,120.005) 57.925,120.475 57.969,120.519 60.237,122.787 60.3,122.787 60.314,122.787 60.328,122.774 60.444,122.774 60.703,122.774 60.883,122.953 60.975,122.953 ; v1(60.55,119.325) 60.55,122.529 60.749,122.728 60.929,122.908 60.975,122.953 ; v1(65.647,123.669) 65.613,123.669 65.223,124.059 63.315,124.059 63.198,123.942 63.145,123.942 cw(c63,124.55) 62.963,123.926 62.188,123.972 62.117,123.972 62.073,123.928 62,123.855 62,123.505 61.448,122.953 60.975,122.953
  Layer 2 w0.15: v1(29.375,114.475) 32.91,110.94 32.91,110.923 33.055,110.778 33.055,110.637 33.15,105.938 cw(c32.525,105.925) 33.149,105.891 33.076,104.534 ccw(c33.7,104.5) 33.075,104.521 33.055,103.909 33.055,103.785 33.099,103.741 v1(36.24,100.6)
  Bottom Layer w0.1: v1(35.6,113.7) 39.683,109.42 39.713,109.39 40.802,109.163 ccw(c40.925,109.75) 41.176,109.205 41.575,109.389 41.658,109.389 41.687,109.36 42.097,108.95 50.262,108.95 50.266,108.95 54.749,112.162 ccw(c54.4,112.65) 54.95,112.409 55.301,113.211 cw(c55.392,113.171) 55.322,113.242 55.324,113.244 ccw(c54.934,113.7) 55.45,113.394 55.827,114.031 cw(c56.343,113.725) 55.846,114.061 56.733,115.371 56.75,115.397 56.993,115.64 v1(56.993,120.005) ; v1(65.647,123.669) 65.658,123.658 65.658,123.119 65.816,122.961 65.816,122.429 65.816,119.434 65.875,119.375 66.199,119.375 66.55,119.024 66.55,117.252 66.677,117.125 69.422,117.125 69.575,117.278 69.575,119.936 U5.C1@68.201,121.31
  Bottom Layer w0.15: U4.1@61.112,122.025 61.112,122.618 v1(62.026,123.532) ; U7.1@65.062,122.025 65.112,122.075 65.463,122.075 65.816,122.429
NetU1_135: U1.135 U2.9 U4.14 U5.B4 U6.4 U7.14 X3.27 X7.27 | length 102.2
  Top Layer w0.15: U6.4@27.465,115 27.565,114.9 27.783,114.9 28.107,114.575 28.195,114.487 29.038,113.948 ccw(c29.375,114.475) 29.374,113.85 v1@29.398,113.826 ; v1(29.408,113.526) 29.408,113.816 v1@29.398,113.826 ; U1.135@30.88,114.395 30.22,114.33 30.072,114.26 29.792,114.009 cw(c29.375,114.475) 29.506,113.864 29.443,113.85 v1@29.398,113.826 ; U2.9@63.55,120.16 64.564,120.16 64.913,119.811 v1(65.011,119.811)
  Layer 1 w0.15: v1(37.51,100.6) 38.26,99.85 71.5,99.85 71.562,99.85 71.65,99.938 71.65,100.062 71.549,100.167 cw(c72,100.6) 71.601,101.081 71.65,101.13 71.65,103.97 71.606,104.014 71.601,104.019 cw(c72,104.5) 71.597,104.978 71.601,105.037 ccw(c71.451,105.047) 71.601,105.047 71.601,105.109 71.601,105.142 71.513,105.23 68.965,107.182 cw(c69.345,107.678) 68.792,107.969 71.65,113.407 71.65,113.531 71.606,113.575 71.591,113.59 71.572,113.6 71.25,113.777 cw(c71.55,114.325) 71.082,113.911 66.419,119.189 ccw(c65.95,118.775) 66.393,119.216 66.163,119.446 65.53,119.446 65.164,119.811 v1(65.011,119.811) ; v1(64.702,122.635) 64.78,122.713 68.38,122.713 68.867,123.2 v1(69.025,123.2)
  Layer 2 w0.15: v1(29.408,113.526) 30.535,112.399 30.535,104.241 32.231,102.545 32.639,102.545 34.335,100.849 34.335,100.351 34.711,99.975 36.499,99.975 36.799,100.275 37.009,100.275 37.334,100.6 v1(37.51,100.6) ; v1(61.048,123.528) 60.975,123.455 60.975,122.868 61.192,122.651 64.686,122.651 v1(64.702,122.635) ; v1@64.702,122.651 64.835,122.651 65.11,122.375 65.15,122.375 65.256,122.269 65.256,121.466 65.011,121.222 v1(65.011,119.811)
  Bottom Layer w0.1: U5.B4@67.352,121.593 67.352,122.123 68.425,123.196 68.483,123.254 68.566,123.254 v1(69.025,123.2)
  Bottom Layer w0.15: U4.14@60.45,122.188 60.4,122.238 60.4,123.19 60.506,123.296 60.667,123.296 60.899,123.528 v1(61.048,123.528) ; U7.14@64.4,122.188 64.45,122.35 v1(64.702,122.635)
NetU1_136: U1.136 X5.29 X9.29 | length 51.9
  Top Layer w0.15: U1.136@30.88,113.895 31.54,113.96 v1(34.375,114.5)
  Bottom Layer w0.1: v1(34.375,114.5) 35.625,112.322 35.625,111.077 35.273,110.725 34.377,110.725 33.485,109.832 33.485,108.699 31.83,107.044 31.83,104.013 32.593,103.25 43.046,103.25 43.446,102.85 63.212,102.85 64.912,101.15 65.485,101.15 65.65,100.985 v1(65.65,100.6)
NetU1_137: U1.137 X5.27 X9.27 | length 48.9
  Top Layer w0.15: U1.137@30.88,113.395 31.54,113.46 v1(33.61,113.475)
  Bottom Layer w0.1: v1(33.61,113.475) 33.235,112.96 33.235,108.803 30.56,106.128 30.56,104.013 31.573,103 42.943,103 43.343,102.6 62.192,102.6 63.642,101.15 64.215,101.15 64.38,100.985 v1(64.38,100.6)
NetU1_139: U1.139 X4.23 X8.23 | length 30.7
  Top Layer w0.15: U1.139@30.88,112.395 30.945,112.33 33.807,112.33 v1(33.882,112.255)
  Layer 2 w0.15: v1(33.882,112.255) 34.206,113.288 ccw(c33.61,113.475) 34.212,113.307 ccw(c33.61,113.475) 34.233,113.518 34.233,113.52 ccw(c33.61,113.475) 34.081,113.885 33.904,114.09 cw(c34.375,114.5) 33.75,114.516 33.85,118.306 33.85,124.316 33.225,124.941 33.225,129.979 32.987,130.217 32.987,130.983 33.225,131.221 33.225,136.875 v1(34.925,138.575)
NetU1_140: U1.140 X4.31 X8.31 | length 34.8
  Top Layer w0.15: U1.140@30.88,111.895 33.155,111.895 33.294,111.756 v1(33.835,111.306)
  Layer 2 w0.15: v1(33.835,111.306) 34.332,111.821 ccw(c33.882,112.255) 34.507,112.24 34.507,112.242 34.535,113.454 ccw(c33.61,113.475) 34.535,113.487 34.535,113.49 cw(c34.685,113.486) 34.555,113.561 34.917,114.188 ccw(c34.375,114.5) 34.994,114.59 34.475,118.216 34.432,118.259 ; 34.432,118.259 34.15,118.541 34.15,123.984 34.475,124.309 34.475,126.314 33.525,127.264 33.525,130.103 33.287,130.341 33.287,130.797 33.287,130.859 33.471,131.043 cw(c33.912,130.6) 33.501,131.071 33.505,131.075 33.561,131.131 34.432,132.659 cw(c34.975,132.35) 35.031,132.972 35.515,132.929 35.575,132.929 35.635,132.929 ccw(c35.225,133.4) 35.722,133.021 36.606,134.178 36.606,135.156 v1(40.05,138.6)
NetU1_141: U1.141 X5.6 X9.6 | length 39.2
  Top Layer w0.15: v1(25.633,107.675) 27.033,107.675 29.025,109.667 29.025,110.177 30.083,111.235 30.125,111.235 30.285,111.395 U1.141@30.88,111.395 ; v1(46.911,101.75) 46.911,102.111 47.55,102.75 48.498,102.75 49.765,104.017 49.765,104.305 49.96,104.5 v1(50.41,104.5)
  Bottom Layer w0.1: v1(25.633,107.675) 25.621,107.675 25.599,107.653 25.57,107.623 25.57,104.816 ccw(c26.08,104.5) 25.57,104.184 25.57,102.139 25.628,102.08 43.982,102.08 43.996,102.085 46.397,102.085 46.731,101.75 v1(46.911,101.75)
NetU1_142: U1.142 X5.8 X9.8 | length 46.4
  Top Layer w0.15: v1(24.697,107.515) 25.412,106.8 27.949,106.8 29.258,107.712 ccw(c28.9,108.225) 29.52,108.303 29.325,109.853 29.325,109.977 29.369,110.021 30.083,110.735 30.125,110.735 30.285,110.895 U1.142@30.88,110.895 ; v1(46.9,100.5) 46.9,100.65 47.445,101.283 47.562,101.4 50.718,103.7 50.993,103.975 51.53,103.975 51.68,104.125 v1(51.68,104.5)
  Bottom Layer w0.1: v1(24.697,107.515) 24.975,107.037 25.152,106.012 25.152,105.929 24.395,105.172 24.395,104.933 ccw(c24.81,104.5) 24.235,104.329 24.272,104.205 24.272,104.122 24.259,104.109 23.725,103.575 23.725,101.784 23.754,101.754 23.784,101.725 45.8,101.725 45.891,101.634 46.252,101.634 46.311,101.575 46.311,101.501 46.516,101.296 46.516,101.044 46.9,100.66 v1(46.9,100.5)
NetX3_15: X3.15 X7.15
  other v1: 29.89,100.6
NetX3_16: X3.16 X7.16
  other v1: 29.89,104.5
NetX3_21: X3.21 X7.21
  other v1: 33.7,100.6
NetX3_23: X3.23 X7.23
  other v1: 34.97,100.6
NetX3_26: X3.26 X7.26
  other v1: 36.24,104.5
NetX3_28: X3.28 X7.28
  other v1: 37.51,104.5
NetX3_31: X3.31 X7.31
  other v1: 40.05,100.6
NetX3_33: X3.33 X7.33
  other v1: 41.32,100.6
NetX3_35: X3.35 X7.35
  other v1: 42.59,100.6
NetX4_8: X4.8 X8.8
  other v1: 24.81,142.5
NetX4_10: X4.10 X8.10
  other v1: 26.08,142.5
NetX4_12: X4.12 X8.12
  other v1: 27.35,142.5
NetX4_14: X4.14 X8.14
  other v1: 28.62,142.5
NetX4_16: X4.16 X8.16
  other v1: 29.89,142.5
NetX4_18: X4.18 X8.18
  other v1: 31.16,142.5
NetX4_20: X4.20 X8.20
  other v1: 32.43,142.5
NetX4_22: X4.22 X8.22
  other v1: 33.7,142.5
NetX4_32: X4.32 X8.32
  other v1: 40.05,142.5
NetX4_33: X4.33 X8.33
  other v1: 41.32,138.6
NetX4_34: X4.34 X8.34
  other v1: 41.32,142.5
NetX4_35: X4.35 X8.35
  other v1: 42.59,138.6
NetX4_36: X4.36 X8.36
  other v1: 42.59,142.5
NetX5_5: X5.5 X9.5
  other v1: 50.41,100.6
NetX5_7: X5.7 X9.7
  other v1: 51.68,100.6
NetX5_13: X5.13 X9.13
  other v1: 55.49,100.6
NetX5_15: X5.15 X9.15
  other v1: 56.76,100.6
NetX5_16: X5.16 X9.16
  other v1: 56.76,104.5
NetX5_17: X5.17 X9.17
  other v1: 58.03,100.6
NetX5_18: X5.18 X9.18
  other v1: 58.03,104.5
NetX5_19: X5.19 X9.19
  other v1: 59.3,100.6
NetX5_20: X5.20 X9.20
  other v1: 59.3,104.5
NetX5_21: X5.21 X9.21
  other v1: 60.57,100.6
NetX5_22: X5.22 X9.22
  other v1: 60.57,104.5
NetX5_31: X5.31 X9.31
  other v1: 66.92,100.6
NetX5_33: X5.33 X9.33
  other v1: 68.19,100.6
NetX5_34: X5.34 X9.34
  other v1: 68.19,104.5
NetX6_6: X6.6 X10.6
  other v1: 50.41,142.5
NetX6_8: X6.8 X10.8
  other v1: 51.68,142.5
NetX6_13: X6.13 X10.13
  other v1: 55.49,138.6
NetX6_18: X6.18 X10.18
  other v1: 58.03,142.5
NetX6_19: X6.19 X10.19
  other v1: 59.3,138.6
NetX6_20: X6.20 X10.20
  other v1: 59.3,142.5
NetX6_21: X6.21 X10.21
  other v1: 60.57,138.6
NetX6_23: X6.23 X10.23
  other v1: 61.84,138.6
NetX6_25: X6.25 X10.25
  other v1: 63.11,138.6
NetX6_26: X6.26 X10.26
  other v1: 63.11,142.5
VBUS: HL5.1 X1.A4_B9 X1.B4_A9 | length 13.1
  Top Layer w0.15: X1.B4_A9@26.875,129.6 27.642,129.6 27.792,129.45 28.958,129.45 29.075,129.567 29.075,134.433 ; X1.A4_B9@26.875,134.4 27.592,134.4 27.767,134.575 28.933,134.575 29.075,134.433 ; v1(32.1,135.8) 30.733,134.433 29.075,134.433
VCC: VT1.1 VT2.1 VT3.1 VT4.1 X3.1 X3.2 X3.3 X3.4 X3.5 X3.6 X6.35 X6.36 X6.37 X6.38 X6.39 X6.40 X7.1 X7.2 X7.3 X7.4 X7.5 X7.6 X10.35 X10.36 X10.37 X10.38 X10.39 X10.40 | length 129.2
  Top Layer w0.15: VT3.1@59.75,107.875 59.85,107.975 63.725,107.975 63.8,107.9 v1(65.925,107.9) ; VT1.1@61.025,136.5 61.075,136.45 66.1,136.45 v1(66.125,136.475)
  Layer 1 w0.15: v1(21,100.6) v1(22.27,100.6) v1(23.54,100.6) ; v1(21,104.5) v1(22.27,104.5) v1(23.54,104.5) v1(23.54,100.6) ; v1(66.125,136.475) 67.335,136.475 v1(69.46,138.6) v1(70.73,138.6) v1(72,138.6) ; v1(69.46,142.5) v1(70.73,142.5) v1(72,142.5) v1(72,138.6) ; 72.6,122.059 cw(c71.975,122.075) 72.6,122.057 72.45,116.957 cw(c71.825,116.975) 72.447,116.91 72.172,114.26 cw(c71.55,114.325) 72.159,114.184 71.95,113.283 69.345,107.89 v1(69.345,107.678) 69.47,107.678 72.423,104.96 cw(c72,104.5) 72.623,104.544 cw(c72,104.5) 72.625,104.513 72.725,99.824 72.725,99.7 72.681,99.656 72.575,99.55 24.59,99.55 v1(23.54,100.6) ; 72.6,122.06 ccw(c71.975,122.075) 72.6,122.066 72.972,124.901 72.973,124.91 72.973,124.929 72.077,132.656 72.04,132.693 72,132.734 v1(72,138.6)
  Layer 2 w0.15: v1(65.925,107.9) 67.42,106.405 68.536,106.405 68.902,106.771 68.902,107.235 v1(69.345,107.678)
pads on no net: U1.7 U1.8 U1.9 U1.26 U1.45 U1.54 U1.55 U1.63 U1.65 U1.68 U1.71 U1.76 U1.78 U1.79 U1.81 U1.82 U1.91 U1.92 U1.96 U1.97 U1.99 U1.102 U1.105 U1.106 U1.118 U1.119 U1.122 U1.127 U1.133 U1.143 U2.1 U2.12 U2.13 U2.16 U3.3 U3.5 U3.6 U3.7 U3.14 U3.15 U4.2 U4.3 U4.4 U4.9 U4.10 U4.11 U5.D2 U5.D4 U6.7 U7.2 U7.3 U7.4 U7.9 U7.10 U7.11 X1. X1.A8 X1.B8 X1.S1 X1.S2 X1.S3 X1.S4 X2.9 X2.CD X2.S3 X2.S4 X12.S

## Polygon pours and split planes (outlines as drawn)
GND on Top Layer "GND_L01_P003" (solid, pour order 3): 72.9,144 72.975,143.925 72.975,99 20.075,99 20,99.075 20,144
3V3 on Layer 2 "3V3_L03_P002" (solid, pour order 2): 73.031,99.025 20.081,99.025 20.056,99 20.056,144 73.056,144
3V3_SENSOR on Layer 1 "3V3_SENSOR_L02_P001" (solid, pour order 1): 72.975,99.025 20.025,99.025 20,99 20,144 73,144
GND on Bottom Layer "GND_L04_P000" (solid, pour order 0): 72.9,144 72.975,143.925 72.975,99 20.075,99 20,99.075 20,144

## Keep-outs
Keep-Out Layer:
  circle w0.25: c5,95 r4.5
  circle w0.25: c155,95 r4.5
  circle w0.25: c155,5 r4.5
  circle w0.25: c5,5 r4.5
  lines w0.254: 2.5,10 2.5,90 10,90 10,97.5 150,97.5 150,90 157.5,90 157.5,10 150,10 150,2.5 10,2.5 10,10 2.5,10

## Silkscreen, mask and mechanical layers (free items; w line width, h text height)
Board Outline:
  lines w0.25: 0,0 160,0 160,100 0,100 0,0

## Dimensions
155,95 to 171.075,107.95 on Board Dimensions
160,100 to 160,0 on Board Dimensions
0,100 to 160,100 on Board Dimensions

## Text inside footprints (layer, text, board x,y; h text height)
X1: Top Assembly "PCB EDGE" at 20.225,126.8 h0.61 r270